# Altium PCB Copy of dv_cm.PcbDoc (part 2 of 2)
Units mm, origin at the board's own origin, x right, y up, seen from the top; angles counter-clockwise.
Board outline 86 x 62 mm, 4 copper layers (Top Layer, Ground, Power, Bottom Layer), stack 1.781 mm thick; 131 components, 165 nets, 728 pads, 195 vias.
Unrouted connection lines stored in the file: 14.
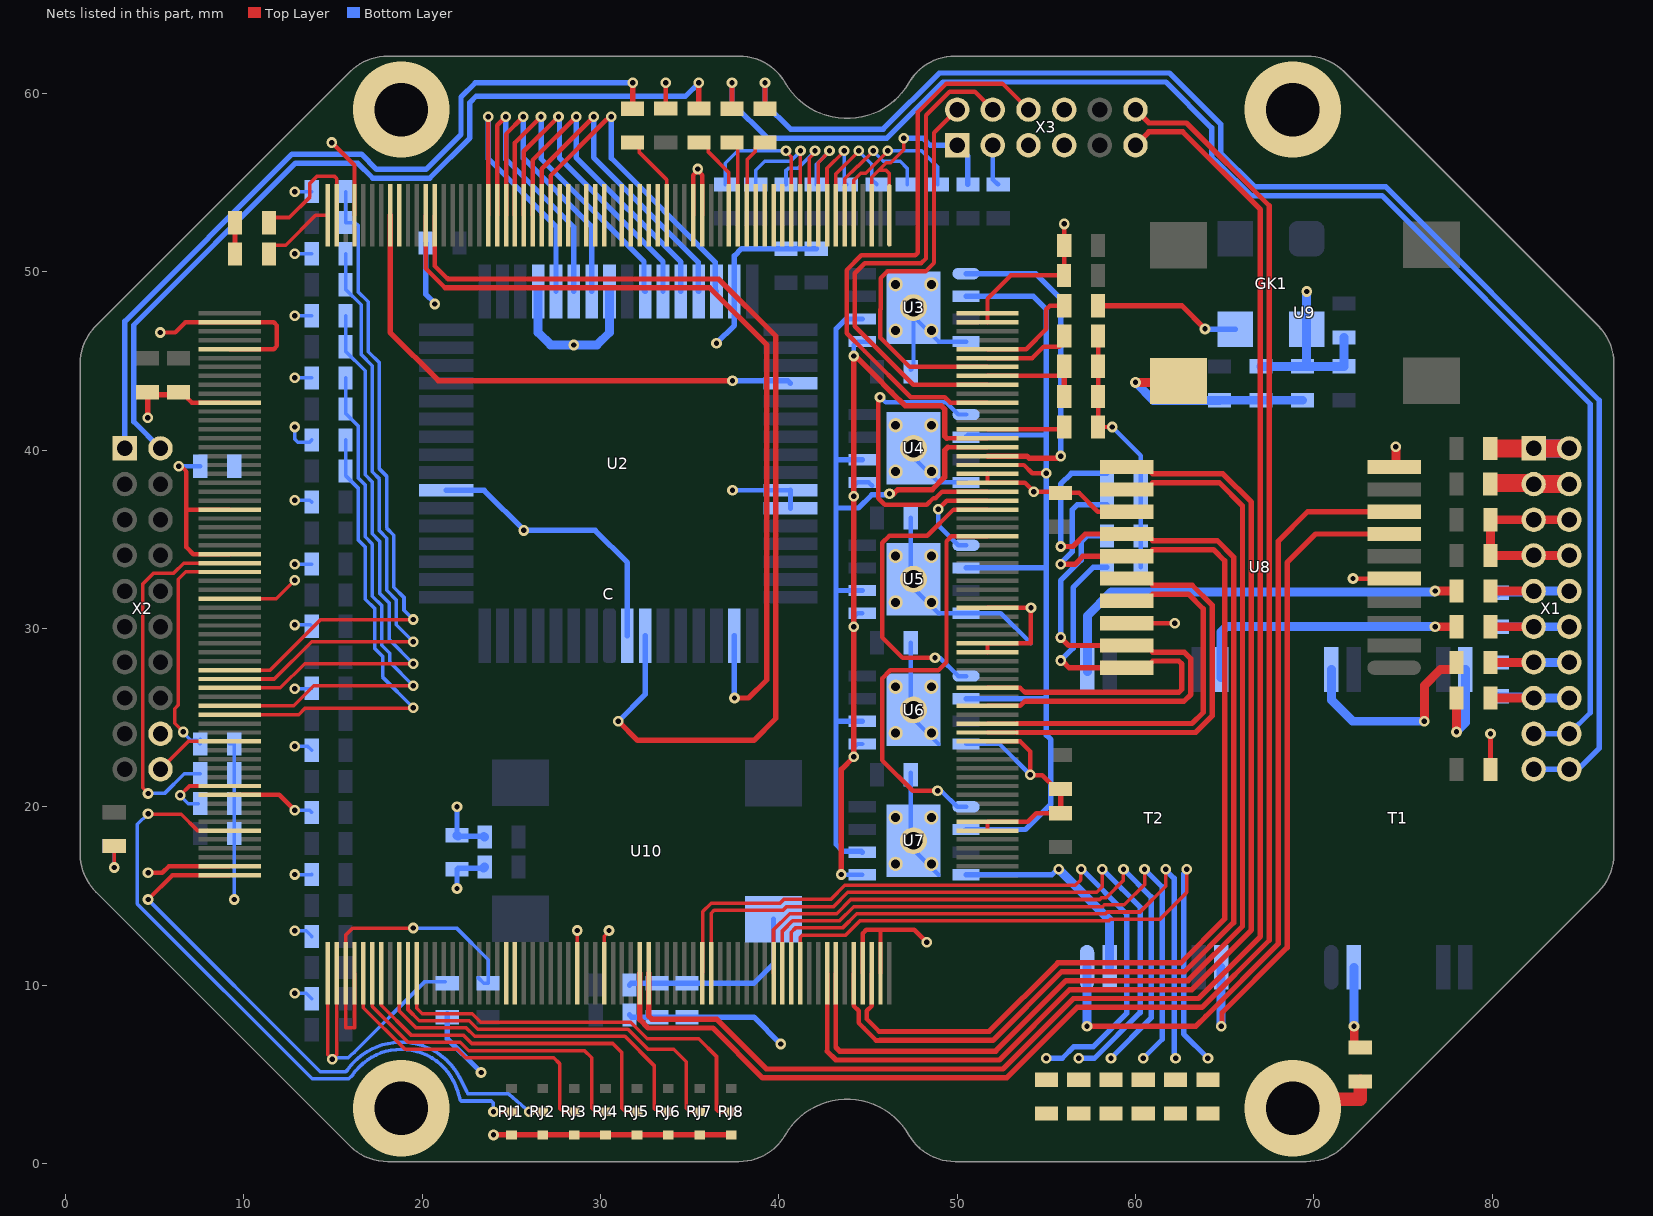
[diagram p4: the nets of this part, all layers, seen from the top]

## Via types
v1: diameter 0.6, hole 0.3, Top Layer to Bottom Layer, tented both sides, 185 vias
v2: diameter 5.4, hole 3, Top Layer to Bottom Layer, 4 vias
v3: diameter 0.6, hole 0.3, Top Layer to Bottom Layer, 2 vias
v4: diameter 1, hole 0.5, Top Layer to Bottom Layer, tented both sides, 2 vias
v5: diameter 0.7, hole 0.5, Top Layer to Bottom Layer, tented both sides, 1 vias
v6: diameter 0.8, hole 0.5, Top Layer to Bottom Layer, 1 vias

## Nets (pads, with @x,y where several pads share a name; then routed paths per layer and width w, separated by ;. In a path a pad name is that pad's centre, name@x,y a point inside that pad or via, vN(x,y) a via of type N, cw(c..) or ccw(c..) an arc to the next point about the centre after c; other vN are vias at no path point) (continued)
ADC_IN_9: C10.2 R25.2 С.110 | length 27.1
  Top Layer w0.2: С.110@9.2,25.168 13.068,25.168 13.425,25.525 19.468,25.525 v1(19.5,25.557)
  Bottom Layer w0.2: C10.2@15.7,40.574 R25.2@15.7,38.833 15.7,38.583 16.4,37.883 16.4,34.975 16.806,34.569 16.806,31.646 17.325,31.127 17.325,28.897 17.775,28.447 17.775,27.282 v1(19.5,25.557)
ADC_IN_10: C46.2 R60.2 С.109 | length 29.6
  Top Layer w0.2: С.109@9.2,25.668 12.793,25.668 13.918,26.793 v1(19.5,26.793)
  Bottom Layer w0.2: C46.2@15.7,44.056 R60.2@15.7,42.315 15.7,42.065 16.4,41.365 16.4,38.45 16.8,38.05 16.8,35.141 17.206,34.735 17.206,31.812 17.725,31.292 17.725,29.063 18.175,28.613 18.175,28.118 v1(19.5,26.793)
ADC_IN_11: C47.2 R61.2 С.107 | length 31.9
  Top Layer w0.2: С.107@9.2,26.668 12.044,26.668 13.405,28.029 v1(19.5,28.029)
  Bottom Layer w0.2: C47.2@15.7,47.537 R61.2@15.7,45.796 15.7,45.546 16.8,44.446 16.8,38.616 17.2,38.216 17.2,35.306 17.606,34.901 17.606,31.978 18.15,31.433 18.15,29.379 v1(19.5,28.029)
ADC_IN_12: C48.2 R62.2 С.106 | length 34.5
  Top Layer w0.2: С.106@9.2,27.168 11.708,27.168 13.804,29.264 v1(19.5,29.264)
  Bottom Layer w0.2: C48.2@15.7,51.019 R62.2@15.7,49.278 15.7,49.028 16.575,48.153 16.575,45.362 17.2,44.737 17.2,38.781 17.6,38.381 17.6,35.472 18.006,35.067 18.006,32.143 18.55,31.599 18.55,30.214 v1(19.5,29.264)
ADC_IN_13: C49.2 R63.2 С.105 | length 37.4
  Top Layer w0.2: С.105@9.2,27.668 11.468,27.668 14.3,30.5 v1(19.5,30.5)
  Bottom Layer w0.2: C49.2@15.7,54.5 R63.2@15.7,52.759 16.241,52.759 16.4,52.6 16.4,48.893 16.975,48.318 16.975,45.528 17.6,44.903 17.6,38.947 18,38.547 18,35.638 18.406,35.232 18.406,32.309 18.976,31.738 18.976,31.024 v1(19.5,30.5)
B_N: T2.1 U8.8 | length 44.2
  Top Layer w0.3: v1(57.28,7.7) 63.389,7.7 63.939,8.25 68,12.311 68,34.89 69.66,36.55 73,36.55
  Bottom Layer w0.5: v1@57.28,7.71 T2.1@57.28,10.99
B_P: T2.4 U8.7 | length 36
  Top Layer w0.3: v1(64.8,7.7) 64.846,7.746 64.846,8.45 68.5,12.104 68.5,33.7 70.1,35.3 73,35.3
  Bottom Layer w0.5: v1(64.8,7.7) T2.4@64.8,11
BDVCC: C20.2 С.64 | length 4
  Top Layer w0.2: C20.2@11.4,51.5 12.35,51.5 14.018,53.168 С.64@14.7,53.168
CASE: R15.1 | length 5
  Top Layer w0.75: v2(68.824,3.1) 69.324,3.6 72.6,3.6 R15.1@72.6,4.6
  other v2: 18.824,3.1 18.824,59.1 68.824,59.1
D_0: U2.29 С.46 | length 16.9
  Top Layer w0.25: С.46@23.7,53.168 v1(23.7,58.7)
  Bottom Layer w0.3: v1(23.7,58.7) 23.7,56.35 27.5,52.55 U2.29@27.5,48.9
D_1: U2.30 С.45 | length 17.1
  Top Layer w0.25: С.45@24.2,53.168 24.2,58.214 v1(24.686,58.7)
  Bottom Layer w0.3: v1(24.686,58.7) 24.686,56.314 28.5,52.5 U2.30@28.5,48.9
D_2: U2.31 С.44 | length 17.3
  Top Layer w0.25: С.44@24.7,53.168 24.7,57.729 v1(25.671,58.7)
  Bottom Layer w0.3: v1(25.671,58.7) 25.671,56.379 29.5,52.55 U2.31@29.5,48.9
D_3: U2.34 С.43 | length 18.4
  Top Layer w0.25: С.43@25.2,53.168 25.2,57.243 v1(26.657,58.7)
  Bottom Layer w0.3: v1(26.657,58.7) 26.675,58.682 26.675,56.337 32.437,50.575 32.437,48.963 U2.34@32.5,48.9
D_4: U2.35 С.42 | length 18.6
  Top Layer w0.25: С.42@25.7,53.168 25.7,56.757 v1(27.643,58.7)
  Bottom Layer w0.3: v1(27.643,58.7) 27.7,58.643 27.7,56.375 33.5,50.575 U2.35@33.5,48.9
D_5: U2.36 С.41 | length 18.8
  Top Layer w0.25: С.41@26.2,53.168 26.2,56.271 v1(28.629,58.7)
  Bottom Layer w0.3: v1(28.629,58.7) 28.629,56.421 34.5,50.55 U2.36@34.5,48.9
D_6: U2.37 С.40 | length 19
  Top Layer w0.25: С.40@26.7,53.168 26.7,55.786 v1(29.614,58.7)
  Bottom Layer w0.3: v1(29.614,58.7) 29.614,56.411 35.475,50.55 35.475,48.925 U2.37@35.5,48.9
D_7: U2.38 С.39 | length 19.2
  Top Layer w0.25: С.39@27.2,53.168 27.2,55.4 30.325,58.525 30.33,58.525 30.505,58.7 v1(30.6,58.7)
  Bottom Layer w0.3: v1(30.6,58.7) 30.6,56.377 36.427,50.55 36.427,48.973 U2.38@36.5,48.9
DVCC_B: C19.2 С.63 | length 7.3
  Top Layer w0.2: C19.2@11.4,53.049 12.549,53.049 13.701,54.201 13.701,54.976 14.075,55.35 15.083,55.35 15.2,55.233 С.63@15.2,53.168
DVCC_PLL: C17.2 C18.2 С.249 | length 6.1
  Top Layer w0.25: С.249@51.7,44.168 55.725,44.168 56,44.443 C17.2@56,44.654
  Top Layer w0.3: C18.2@56,42.98 C17.2@56,44.443
GND: C13.1 C14.1 C15.1 C16.1 C17.1 C18.1 C19.1 C20.1 C21.1 C22.1 C23.1 C24.1 C25.1 C26.1 C27.1 C28.1 C31.2 C32.2 C33.1 C34.1 C35.1 C36.1 C37.1 C38.1 C39.1 C40.1 C41.1 C42.1 C43.1 C44.1 GK1.2 L1.1 R15.2 R28.1 R40.2 R41.2 R42.2 R43.1 R44.1 R45.1 R46.1 R54.1 R55.1 RJ1.3 RJ2.3 RJ3.3 RJ4.3 RJ5.3 RJ6.3 RJ7.3 RJ8.3 T1.2 T2.2 U2.15 U2.28 U2.32 U2.39 U2.50 U2.51 U2.64 U3.4 U3.TP U4.4 U4.TP U5.4 U5.TP U6.4 U6.TP U7.4 U7.TP U8.5 U8.10 U8.13 U8.18 X1.5 X1.6 X1.7 X1.8 X2.18 X3.3 X3.5 X3.7 X3.8 С.22 С.23 С.61 С.66 С.69 С.75 С.97 С.127 С.157 С.160 С.189 С.191 С.198 С.199 С.208 С.218 С.219 С.223 С.237 С.238 С.255 С.256 | length 264.5
  Top Layer w0.2: С.97@9.2,31.668 11.818,31.668 v1(12.85,32.7) ; v3@28.643,13.062 28.7,13.005 С.157@28.7,10.668 ; С.160@30.2,10.668 30.2,12.744 30.475,13.019 v3(30.475,13.062)
  Top Layer w0.25: v1@4.9,16.3 5.425,16.3 5.793,16.668 С.127@9.2,16.668 ; v1(5.3,46.6) 6.154,46.6 6.721,47.168 С.66@9.2,47.168 11.674,47.168 11.85,46.992 11.85,45.844 11.674,45.668 С.69@9.2,45.668 ; C24.1@6.322,43.25 6.572,43.25 6.847,42.975 6.847,42.896 7.075,42.668 С.75@9.2,42.668 ; v1(14.925,57.25) 16.2,55.975 С.61@16.2,53.168 ; C28.1@33.656,59.155 v1(33.656,60.6) ; С.23@35.2,53.168 35.2,55.427 v1@35.45,55.677 ; v1(35.45,55.772) v1@35.45,55.677 ; С.22@35.7,53.168 35.7,55.427 v1@35.45,55.677 ; С.189@44.7,10.668 44.7,12.9 44.9,13.1 47.6,13.1 v1(48.3,12.4) ; С.191@45.7,10.668 45.7,13 ; С.198@51.7,18.668 С.199@51.7,19.168 53.958,19.168 54.433,19.644 C26.1@55.591,19.644 ; С.208@51.7,23.668 53.535,23.668 54.1,23.103 v1(54.1,21.8) 54.125,21.775 54.775,21.775 55.55,21 C23.1@55.8,21 ; С.218@51.7,28.668 С.219@51.7,29.168 54.137,29.168 v1@54.137,31.1 ; С.223@51.7,31.168 v1@54.069,31.168 ; С.238@51.7,38.668 С.237@51.7,38.168 53.798,38.168 54.276,37.69 v1@54.276,37.666 ; С.255@51.7,47.168 С.256@51.7,47.668 51.7,48.5 53,49.8 C27.1@55.995,49.8 C43.1@55.995,51.474 ; v1(54.3,37.666) 55.702,37.666 C22.1@55.8,37.568 ; C22.1@55.8,37.6 56.838,37.6 57.888,36.55 U8.13@59.5,36.55 ; C43.1@56,51.474 56,52.642 v1@56.047,52.689 ; R28.1@57.9,46.402 C17.1@57.9,44.703 C18.1@57.9,43.004 C16.1@57.9,41.305 57.905,41.3 v1(58.7,41.3) ; U8.18@59.5,30.3 v1(62.2,30.3) ; v1(72.2,32.8) U8.5@74.5,32.8
  Top Layer w0.3: v1(4.6,41.818) 4.6,43.1 C24.1@6.322,43.1 ; C20.1@9.25,51 9.5,51.25 C19.1@9.5,52.75 C19.1@9.5,53.049 ; v1(24,1.6) RJ1.3@25,1.6 RJ2.3@26.76,1.6 RJ3.3@28.521,1.6 RJ4.3@30.281,1.6 RJ5.3@32.041,1.6 RJ6.3@33.802,1.6 RJ7.3@35.562,1.6 RJ8.3@37.322,1.6 ; C26.1@55.8,19.644 C23.1@55.8,21 ; C41.1@79.905,22.099 v1(79.905,24.099)
  Top Layer w0.5: v1(72.25,7.7) 72.269,7.681 72.269,6.65 72.419,6.5 R15.2@72.6,6.5 ; U8.10@74.5,39.05 74.6,39.15 v1(74.6,40.2) ; C39.1@79.905,34.099 C40.1@79.905,36.099 X1.5@82.325,36.099 X1.6@84.325,36.099
  Top Layer w0.508: C39.1@79.905,34.099 X1.7@82.325,34.099 X1.8@84.325,34.099
  Bottom Layer w0.2: R41.2@9.19,23.525 R41.2@9.425,23.525 ; 9.45,15.1 9.455,15.105 C25.1@9.455,18.502 9.45,18.507 R42.2@9.45,20.176 R40.2@9.45,21.851 R41.2@9.45,23.525
  Bottom Layer w0.25: v1(37.4,37.75) U2.50@40.65,37.75 ; C38.1@47.4,21.9 C38.1@47.4,21.8 47.4,18.25 U7.TP@47.55,18.1 47.55,17.592 U7.TP@48.952,16.19 ; C37.1@47.4,29.2 47.4,25.583 U6.TP@47.55,25.433 47.55,24.925 U6.TP@48.952,23.523 ; C36.1@47.4,36.2 47.4,32.917 U5.TP@47.55,32.767 47.55,32.259 48.952,30.857 U5.4@50.5,30.857 52.448,30.857 54.137,29.168 ; C35.1@47.4,44.515 47.55,44.665 U3.TP@47.55,47.492 ; U4.TP@47.55,40.1 47.55,39.592 48.952,38.19 U4.4@50.5,38.19 ; U3.TP@47.55,48 U3.TP@47.55,47.492 ; U6.4@50.5,23.523 52.377,23.523 v1(54.1,21.8) ; U3.4@50.5,46.09 48.952,46.09 U3.TP@47.55,47.492 ; X3.3@52,57.1 52,55.18 52.275,54.905 C34.1@52.3,54.905 ; v1(58.7,41.3) 60.3,39.7 R46.1@60.3,38.7 R45.1@60.3,36.942 R44.1@60.3,35.184 R43.1@60.3,33.426
  Bottom Layer w0.3: C32.2@20.193,51.619 20.193,48.754 20.7,48.247 v1(20.7,48.2) ; U2.15@21.35,37.75 23.475,37.75 25.725,35.5 29.7,35.5 31.5,33.7 U2.64@31.5,29.6 ; C15.1@21.4,8.4 C15.1@21.4,8.2 21.4,7 23.202,5.198 23.298,5.198 v1@23.3,5.2 ; v1(21.953,15.419) L1.1@21.953,16.453 ; L1.1@21.953,16.5 L1.1@22,16.453 ; L1.1@22.016,16.563 C44.1@23.437,16.563 ; v1(36.5,46) 37.5,47 U2.39@37.5,48.9 37.5,50.9 37.9,51.3 C33.1@42.1,51.3 ; U2.51@40.65,36.75 U2.50@40.65,37.75 ; U7.4@50.5,16.19 55.305,16.19 55.615,16.5 v1(55.696,16.5)
  Bottom Layer w0.5: C44.1@23.437,16.563 C44.1@23.5,16.626 ; U2.28@26.5,48.9 26.5,46.6 27.2,45.9 v1(28.5,45.9) 29.8,45.9 30.5,46.6 U2.32@30.5,48.9 ; v1(55.696,16.5) 58.55,13.646 T2.2@58.55,11 ; R54.1@67.041,44.7 R55.1@69.37,44.7 R55.1@69.45,44.7 ; v1(69.6,48.9) GK1.2@69.6,46.782 69.6,44.85 R55.1@69.45,44.7 ; C13.1@71.7,46.323 C42.1@71.7,44.7 R55.1@69.45,44.7 ; v1@72.25,7.65 v1(72.25,7.7) T1.2@72.25,11
  other v1: 23.3,5.1 9.45,14.8 4.625,16.3 54.137,31.168 25.7,35.5 56,52.689
  other v3: 28.7,13.062
GND_LPF_ADC1: C1.1 C2.1 C3.1 C4.1 C5.1 C6.1 C7.1 C8.1 C9.1 C10.1 C29.1 C30.1 C45.1 C46.1 C47.1 C48.1 C49.1 L1.2 R57.1 R58.1 R59.1 X2.20 С.113 С.119 | length 38
  Top Layer w0.2: v1(2.725,16.6) C30.1@2.725,17.8 ; X2.20@5.322,22.099 6.891,23.668 С.113@9.2,23.668
  Top Layer w0.25: С.119@9.2,20.668 11.982,20.668 v1(12.85,19.8)
  Bottom Layer w0.2: v1(2.725,16.6) C29.1@2.725,17.8 ; v1(12.85,9.543) 13.5,9.543 13.8,9.243 C1.1@13.8,9.241 ; v1(12.85,13.043) 13.5,13.043 13.8,12.743 C2.1@13.8,12.722 ; v1(12.85,16.2) 13.796,16.2 C3.1@13.8,16.204 ; v1(12.85,19.8) 13.685,19.8 C4.1@13.8,19.685 ; v1(12.85,23.4) 13.567,23.4 C5.1@13.8,23.167 ; v1(12.85,26.625) 13.777,26.625 C6.1@13.8,26.648 ; v1(12.85,30.2) 13.73,30.2 C7.1@13.8,30.13 ; v1(12.85,33.611) C8.1@13.8,33.611 ; v1(12.85,37.2) 13.693,37.2 C9.1@13.8,37.093 ; v1(12.85,41.3) 12.85,40.625 13.025,40.45 13.676,40.45 C10.1@13.8,40.574 ; v1(12.85,44.056) C46.1@13.8,44.056 ; v1(12.85,47.537) C47.1@13.8,47.537 ; v1(12.85,51.019) C48.1@13.8,51.019 ; v1(12.85,54.5) C49.1@13.8,54.5 C49.1@13.7,54.4
  Bottom Layer w0.3: L1.2@21.953,18.4 L1.2@22,18.447 ; L1.2@21.953,18.447 v1(21.953,20) ; L1.2@22.003,18.35 C45.1@23.45,18.35 ; R59.1@31.625,8.33 31.75,8.205 R57.1@33.172,8.205 R58.1@34.846,8.205 38.595,8.205 v1(40.1,6.7)
  Bottom Layer w0.5: L1.2@21.953,18.4 L1.2@22.003,18.35 ; C45.1@23.45,18.35 C45.1@23.5,18.3
GPIO_0: R7.1 С.26 | length 4.9
  Top Layer w0.2: R7.1@31.8,57.2 31.858,57.2 32.158,56.9 32.158,56.717 33.7,55.175 С.26@33.7,53.168
GPIO_1: R8.2 С.19 | length 4.9
  Top Layer w0.2: R8.2@35.512,57.255 35.75,57.255 36.05,56.955 36.05,56.718 37.196,55.571 37.196,53.172 С.19@37.2,53.168
GPIO_2: R2.1 С.18 | length 4.2
  Top Layer w0.2: R2.1@37.425,57.2 37.45,57.2 37.7,56.95 С.18@37.7,53.168
GPIO_3: R1.1 С.17 | length 4.5
  Top Layer w0.2: С.17@38.2,53.168 38.225,53.193 38.225,56.3 38.675,56.75 38.675,56.95 38.925,57.2 R1.1@39.125,57.2
GPIO_4: С.16
GPIO_5: С.15
GPIO_6: С.14
GPIO_7: С.13
MCU_CLK: GK1.3 R30.1 | length 8.2
  Top Layer w0.3: R30.1@57.9,48.101 62.599,48.101 v1(63.9,46.8)
  Bottom Layer w0.3: v1(63.9,46.8) 63.918,46.782 GK1.3@65.6,46.782
MILA_RX_N: U8.16 С.209 | length 24.6
  Top Layer w0.25: С.209@51.7,24.168 С.209@53.325,24.168
  Top Layer w0.3: С.209@53.325,24.168 63.375,24.168 64.3,25.093 64.3,31.307 63.182,32.425 60.975,32.425 60.6,32.8 U8.16@59.5,32.8
MILA_RX_P: U8.17 С.210 | length 23
  Top Layer w0.25: С.210@51.7,24.668 С.210@53.325,24.668
  Top Layer w0.3: С.210@53.325,24.668 63.168,24.668 63.8,25.3 63.8,31.1 62.975,31.925 60.975,31.925 60.6,31.55 U8.17@59.5,31.55
MILA_TX_N: R43.2 U8.20 С.214 | length 26.5
  Top Layer w0.25: С.214@51.7,26.668 53.535,26.668 53.81,26.393 53.835,26.418
  Top Layer w0.3: 53.835,26.418 62.424,26.418 62.6,26.594 62.6,27.999 62.424,28.175 60.975,28.175 60.6,27.8 U8.20@59.5,27.8 56.281,27.8 55.881,28.2 v1(55.8,28.2)
  Bottom Layer w0.3: v1(55.8,28.2) 56.5,28.9 56.5,32.3 57.626,33.426 R43.2@58.4,33.426
MILA_TX_P: R44.2 U8.19 С.212 | length 29
  Top Layer w0.25: С.212@51.7,25.668 53.535,25.668 53.81,25.943 53.835,25.918
  Top Layer w0.3: 53.835,25.918 62.718,25.918 63.1,26.3 63.1,28.3 62.725,28.675 60.975,28.675 60.6,29.05 U8.19@59.5,29.05 56.25,29.05 v1(55.8,29.5) ; v1@55.65,29.5 v1@55.731,29.5
  Bottom Layer w0.3: v1(55.8,29.5) 55.8,32.681 56.95,33.831 56.95,34.85 57.284,35.184 R44.2@58.4,35.184
MILB_RX_N: U8.11 С.185 | length 63.2
  Top Layer w0.25: 42.7,6.293 С.185@42.7,10.668
  Top Layer w0.3: 42.7,6.293 43.193,5.8 52.361,5.8 56.311,9.75 63.157,9.75 66.5,13.093 66.5,37.082 64.907,38.675 60.975,38.675 60.6,39.05 U8.11@59.5,39.05
MILB_RX_P: U8.12 С.186 | length 60.7
  Top Layer w0.25: 43.2,6.5 С.186@43.2,10.668
  Top Layer w0.3: 43.2,6.5 43.4,6.3 52.154,6.3 56.104,10.25 62.95,10.25 66,13.3 66,36.875 64.7,38.175 60.975,38.175 60.6,37.8 U8.12@59.5,37.8
MILB_TX_N: R45.2 U8.15 С.190 | length 60.9
  Top Layer w0.25: С.190@45.2,10.668 45.2,8.833 44.925,8.558 44.925,8.1 45.625,7.4
  Top Layer w0.3: 45.625,7.4 51.793,7.4 55.643,11.25 62.536,11.25 65,13.714 65,33.8 64.375,34.425 60.975,34.425 60.6,34.05 U8.15@59.5,34.05 57.05,34.05 56.6,33.6 v1(55.8,33.6)
  Bottom Layer w0.3: v1(55.8,33.6) 55.8,33.65 56.45,34.3 56.45,36.65 56.742,36.942 R45.2@58.4,36.942
MILB_TX_P: R46.2 U8.14 С.188 | length 64.4
  Top Layer w0.25: С.188@44.2,10.668 44.2,8.833 44.475,8.558 44.475,7.878 44.75,7.603 45.453,6.9
  Top Layer w0.27: 45.453,6.9 45.675,6.9
  Top Layer w0.3: 45.675,6.9 52,6.9 55.85,10.75 62.743,10.75 65.5,13.507 65.5,34.007 64.582,34.925 60.975,34.925 60.6,35.3 U8.14@59.5,35.3 57.183,35.3 56.483,34.6 v1(55.8,34.6)
  Bottom Layer w0.3: v1(55.8,34.6) 55.8,38.1 56.4,38.7 R46.2@58.4,38.7
MISO: U3.2 U4.2 U5.2 U6.2 U7.2 С.239 | length 54.8
  Top Layer w0.25: С.239@51.7,39.168 53.741,39.168 54.209,38.7 v1(55,38.7)
  Bottom Layer w0.3: U7.2@50.5,18.73 53.83,18.73 55.25,20.15 55.25,23.769 55,24.019 55,26.063 ; U6.2@50.5,26.063 55,26.063 ; U5.2@50.5,33.397 54.997,33.397 55,33.4 ; U4.2@50.5,40.73 50.62,40.85 54.8,40.85 ; U3.2@50.5,48.63 54.27,48.63 55,47.9 v1(55,38.7) 55,33.4 ; 55,26.063 55,33.4
MODE0: R38.2 С.12 | length 8.6
  Top Layer w0.2: v1(40.4,56.8) 40.4,56.751 40.7,56.451 С.12@40.7,53.168
  Bottom Layer w0.2: R38.2@37,54.9 37,56.1 37.7,56.8 v1(40.4,56.8)
MODE1: R37.2 С.11 | length 7.4
  Top Layer w0.2: С.11@41.2,53.168 v1@41.2,56.8
  Bottom Layer w0.2: R37.2@38.7,54.9 38.7,55.7 39.208,56.208 40.144,56.208 40.151,56.2 40.649,56.2 41.214,56.766 v1(41.214,56.8)
MODE2: R36.2 С.10 | length 6.7
  Top Layer w0.2: С.10@41.7,53.168 41.7,56.363 42.029,56.692 v1(42.029,56.8)
  Bottom Layer w0.2: R36.2@40.4,54.9 40.4,55.683 40.517,55.8 41.063,55.8 42.029,56.766 v1(42.029,56.8) ; v1@42,56.751 v1@42,56.8
MODE3: R35.2 С.9 | length 6.1
  Top Layer w0.2: С.9@42.2,53.168 42.2,56.123 42.843,56.766 v1(42.843,56.8)
  Bottom Layer w0.2: R35.2@42.1,54.9 42.1,56.023 42.843,56.766 v1(42.843,56.8)
MODE4: R34.2 С.8 | length 6.1
  Top Layer w0.2: С.8@42.7,53.168 42.7,55.809 43.657,56.766 v1(43.657,56.8)
  Bottom Layer w0.2: v1(43.657,56.8) 43.657,54.9 R34.2@43.8,54.9
MODE5: R33.2 С.7 | length 6.5
  Top Layer w0.2: С.7@43.2,53.168 С.7@43.225,53.193 ; С.7@43.2,53.193 43.2,55.494 44.471,56.766 v1(44.471,56.8)
  Bottom Layer w0.2: v1(44.471,56.8) 44.471,56.766 45.2,56.037 45.2,55.2 R33.2@45.5,54.9 ; v1@44.5,56.751 v1@44.5,56.8
MODE6: R32.2 С.6 | length 7.6
  Top Layer w0.2: С.6@43.7,53.168 43.7,55.214 44.419,55.933 44.453,55.933 45.286,56.766 v1(45.286,56.8) ; v1@45.3,56.751 v1@45.3,56.8
  Bottom Layer w0.2: v1(45.286,56.8) 45.286,56.766 45.851,56.2 46.8,56.2 47.2,55.8 R32.2@47.2,54.9
MODE7: R31.2 С.5 | length 8.7
  Top Layer w0.2: С.5@44.2,53.168 44.2,55.134 44.599,55.533 44.867,55.533 46.1,56.766 v1(46.1,56.8)
  Bottom Layer w0.2: v1(46.1,56.8) 48,56.8 48.9,55.9 R31.2@48.9,54.9
MOSI: U3.5 U4.5 U5.5 U6.5 U7.5 С.242 | length 47.1
  Top Layer w0.25: 49.417,40.668 С.242@51.7,40.668
  Top Layer w0.3: v1(43.5,16.2) 43.5,22.1 v1(44.2,22.8) v1(44.2,30.1) v1(44.2,37.411) v1(44.2,45.28) 44.281,45.28 44.431,45.13 44.439,45.13 45.336,44.233 46.325,43.244 47.069,42.5 49.1,42.5 49.3,42.3 49.3,40.785 49.417,40.668
  Bottom Layer w0.25: v1@43.602,16.2 v1(43.5,16.2) 43.505,16.195 44.67,16.195 U7.5@44.675,16.19 U7.5@44.392,16.19 ; v1(44.2,22.8) 44.2,23.331 44.392,23.523 U6.5@44.675,23.523 ; v1(44.2,30.1) 44.2,30.664 44.392,30.857 U5.5@44.675,30.857 ; v1(44.2,37.411) 44.2,37.998 44.392,38.19 U4.5@44.675,38.19 45.047,38.19 U4.5@45.24,37.998 ; v1(44.2,45.28) 44.2,45.897 44.392,46.09 U3.5@44.675,46.09 45.11,46.09 U3.5@45.302,45.897
MPI_1_A: R47.1 R48.1 X1.15 X1.16 | length 6.5
  Top Layer w0.5: R47.1@79.905,26.099 X1.15@82.325,26.099
  Bottom Layer w0.5: R48.1@80.3,26.199 80.35,26.149 82.275,26.149 X1.15@82.325,26.099 X1.16@84.325,26.099
MPI_1_B: R50.1 R51.1 X1.11 X1.12 | length 6.4
  Top Layer w0.5: R50.1@79.905,30.099 X1.11@82.325,30.099
  Bottom Layer w0.5: R51.1@80.3,30.1 X1.11@82.325,30.099 X1.12@84.325,30.099
MPI_2_A: R48.2 R49.1 X1.13 X1.14 | length 6.4
  Top Layer w0.5: R49.1@79.905,28.099 X1.13@82.325,28.099
  Bottom Layer w0.5: R48.2@80.3,28.099 X1.13@82.325,28.099 X1.14@84.325,28.099
MPI_2_B: R51.2 R52.1 X1.9 X1.10 | length 6.5
  Top Layer w0.5: R52.1@79.905,32.099 X1.9@82.325,32.099
  Bottom Layer w0.5: R51.2@80.3,32 80.35,32.05 82.275,32.05 X1.9@82.325,32.099 X1.10@84.325,32.099
MPI_ADDR_0: R9.2 С.171 | length 40.7
  Top Layer w0.2: С.171@35.7,10.668 35.725,10.693 35.725,14.125 36.2,14.6 40.064,14.6 40.27,14.806 42.906,14.806 43.7,15.6 56.626,15.6 56.926,15.9 56.926,16.467 v1(56.958,16.5)
  Bottom Layer w0.3: v1(55,5.9) 55.893,5.9 56.543,6.55 57.643,6.55 59.5,8.407 59.5,14 57,16.5 v1(56.958,16.5)
MPI_ADDR_1: R10.2 С.172 | length 40.4
  Top Layer w0.2: С.172@36.2,10.668 36.2,14.034 36.366,14.2 40.229,14.2 40.435,14.406 43.072,14.406 43.866,15.2 57.824,15.2 58.141,15.517 v1(58.141,16.5) ; R10.2@56.8,4.72 R10.2@56.82,4.7
  Bottom Layer w0.3: v1(56.812,5.9) 57.7,5.9 60.26,8.46 60.26,14.381 59.235,15.406 v1(58.141,16.5)
MPI_ADDR_2: R11.2 С.179 | length 36
  Top Layer w0.2: С.179@39.7,10.668 39.7,13.105 40.601,14.006 43.237,14.006 44.031,14.8 57.99,14.8 58.09,14.9 58.35,14.9 59.324,15.874 v1(59.324,16.5)
  Bottom Layer w0.3: v1(58.624,5.9) 60.878,8.154 60.878,14.947 v1(59.324,16.5)
MPI_ADDR_3: R12.2 С.180 | length 36.1
  Top Layer w0.2: С.180@40.2,10.668 40.2,13.039 40.767,13.606 43.403,13.606 44.197,14.4 58.156,14.4 58.256,14.5 59.375,14.5 60.507,15.632 v1(60.507,16.5)
  Bottom Layer w0.3: v1(60.436,5.9) 61.5,6.964 61.5,15.507 v1(60.507,16.5)
MPI_ADDR_4: R13.2 С.181 | length 36.2
  Top Layer w0.2: С.181@40.7,10.668 40.7,12.974 40.932,13.206 43.569,13.206 44.363,14 58.321,14 58.421,14.1 60.25,14.1 61.69,15.54 v1(61.69,16.5) ; R13.2@62.28,4.7 R13.2@62.3,4.72
  Bottom Layer w0.3: v1(61.69,16.5) 61.69,16.458 62.164,15.985 62.164,6.196 62.191,6.17 62.191,5.957 v1(62.248,5.9)
MPI_ADDR_EVEN: R14.2 С.182 | length 37.3
  Top Layer w0.2: С.182@41.2,10.668 41.2,12.689 41.317,12.806 43.734,12.806 44.528,13.6 58.487,13.6 58.587,13.7 61.375,13.7 62.873,15.198 v1(62.873,16.5)
  Bottom Layer w0.3: v1(62.873,16.5) 62.873,16.419 62.7,16.245 62.7,7.26 v1(64.06,5.9)
NetC14_2: C14.2 С.87 С.92 | length 11
  Top Layer w0.25: v1(6.35,39.1) 6.475,39.1 6.775,38.8 6.775,36.668 ; С.92@9.2,34.168 7.156,34.168 6.775,34.549 6.775,36.668 ; С.87@9.2,36.668 6.775,36.668
  Bottom Layer w0.25: v1(6.35,39.1) C14.2@7.555,39.1
NetC15_2: C15.2 С.129 С.130 | length 18
  Top Layer w0.2: С.129@14.7,10.668 14.7,6.096 v1(14.948,5.848) 14.948,5.854 15.2,6.107 С.130@15.2,10.668
  Bottom Layer w0.2: v1(14.948,5.848) 15.024,5.925 15.852,5.925 cw(c18.824,3.101) 16.207,6.257 20.15,10.2 C15.2@21.3,10.2
NetC16_2: C16.2 С.243 | length 4.4
  Top Layer w0.2: C16.2@55.862,41.168 C16.2@56,41.305
  Top Layer w0.25: С.243@51.7,41.168 C16.2@55.862,41.168
NetR1_2: R1.2 X1.19 X1.20 | length 83.5
  Top Layer w0.3: R1.2@39.225,59.15 v1(39.225,60.6)
  Bottom Layer w0.3: v1(39.225,60.6) 39.225,59.425 40.65,58 45.85,58 49,61.15 61.907,61.15 64.771,58.286 64.771,56.678 66.674,54.775 74.025,54.775 86,42.8 86,23.272 84.827,22.099 X1.20@84.325,22.099 X1.19@82.325,22.099
NetR2_2: R2.2 X1.17 X1.18 | length 82.2
  Top Layer w0.3: R2.2@37.369,59.15 v1(37.369,60.6)
  Bottom Layer w0.3: v1(37.369,60.6) 37.369,59.481 39.35,57.5 46.057,57.5 49.207,60.65 61.7,60.65 64.271,58.079 64.271,56.454 64.65,56.075 64.667,56.075 66.467,54.275 73.818,54.275 85.5,42.593 85.5,25.274 X1.18@84.325,24.099 X1.17@82.325,24.099
NetR3_2: R3.2 X1.3 X1.4 | length 6.1
  Top Layer w1: R3.2@80.239,38.15 82.274,38.15 X1.3@82.325,38.099 X1.4@84.325,38.099
  Bottom Layer w1: X1.3@82.325,38.099 X1.4@84.325,38.099
NetR5_2: R5.2 X1.1 X1.2 | length 6.3
  Top Layer w1: R5.2@80.024,40.13 80.055,40.099 X1.1@82.325,40.099 X1.2@84.325,40.099
  Bottom Layer w1: X1.1@82.325,40.099 X1.2@84.325,40.099
NetR7_2: R7.2 X2.1 | length 44.5
  Top Layer w0.3: R7.2@31.8,59.15 v1(31.8,60.6)
  Bottom Layer w0.3: X2.1@3.322,40.099 3.322,47.227 12.695,56.6 16.586,56.6 17.436,55.75 20.211,55.75 22.174,57.712 22.174,59.8 22.974,60.6 v1(31.8,60.6)
NetR8_1: R8.1 X2.2 | length 48.2
  Top Layer w0.3: R8.1@35.512,59.155 v1(35.512,60.6)
  Bottom Layer w0.3: X2.2@5.322,40.099 3.822,41.599 3.822,47.02 12.902,56.1 16.379,56.1 17.229,55.25 20.418,55.25 22.674,57.505 22.674,59.5 23.024,59.85 34.763,59.85 v1(35.512,60.6)
NetR28_2: R28.2 С.251 | length 4.9
  Top Layer w0.25: С.251@51.7,45.168 54.207,45.168 54.843,45.803 55.725,45.803 56,46.078 R28.2@56,46.328
NetR30_2: R30.2 С.252 | length 6
  Top Layer w0.25: С.252@51.7,45.668 53.868,45.668 55,46.8 55,47.9 55.2,48.1 R30.2@56,48.101
NetR39_2: R39.2 С.131 С.132 | length 19.7
  Top Layer w0.2: С.132@16.2,10.668 16.2,7.6 15.7,7.6 С.131@15.7,10.668 15.7,12.8 16.1,13.2 v1(19.5,13.2) v1@19.45,13.25
  Bottom Layer w0.2: v1(19.5,13.2) 20.593,13.2 21.925,13.2 23.693,11.432 R39.2@23.693,10.1 23.456,10.1 R39.2@23.156,10.4
NetR40_1: R40.1 С.93 | length 20.3
  Top Layer w0.2: v1(4.625,20.75) 4.625,20.775 4.325,21.075 4.325,32.496 4.938,33.109 6.059,33.109 6.618,33.668 С.93@9.2,33.668
  Bottom Layer w0.2: 4.925,20.75 5.55,20.75 6.651,21.851 R40.1@7.55,21.851
NetR41_1: R41.1 С.94 | length 13.4
  Top Layer w0.2: v1(6.6,24.2) 6.117,24.683 6.117,25.5 6.325,25.708 6.325,32.769 6.731,33.175 9.193,33.175 С.94@9.2,33.168
  Bottom Layer w0.2: v1(6.6,24.2) 6.6,24.15 7.025,23.725 7.35,23.725 R41.1@7.55,23.525 R41.1@7.55,23.775
NetR42_1: R42.1 С.118 | length 4.2
  Top Layer w0.2: v1(6.425,20.65) 6.943,21.168 С.118@9.2,21.168
  Bottom Layer w0.2: v1(6.425,20.65) 6.425,20.626 6.874,20.176 R42.1@7.45,20.176
NetR47_2: R47.2 T1.5 | length 5.6
  Top Layer w0.5: v1(78.005,24.2) R47.2@78.005,26.099
  Bottom Layer w0.5: v1(78.005,24.2) 78.005,24.227 78.5,24.722 T1.5@78.5,27.7
NetR49_2: R49.2 T1.8 | length 11.9
  Top Layer w0.5: v1(76.2,24.8) 76.2,26.8 77.099,27.699 77.855,27.699 78.005,27.849 R49.2@78.005,28.099
  Bottom Layer w0.5: T1.8@70.98,27.7 70.98,25.993 72.173,24.8 v1(76.2,24.8)
NetR50_2: R50.2 T2.5 | length 15.9
  Top Layer w0.5: v1@76.801,30.099 R50.2@78.005,30.099
  Bottom Layer w0.5: T2.5@64.8,27.262 64.8,29.807 65.093,30.1 v1(76.8,30.1)
NetR52_2: R52.2 T2.8 | length 24.4
  Top Layer w0.5: v1@76.801,32.099 R52.2@78.005,32.099
  Bottom Layer w0.5: T2.8@57.3,27.591 57.3,30.7 58.65,32.05 76.75,32.05 v1(76.8,32.1)
NetR53_1: R53.1 R54.2 R55.2 U9.17 | length 12.2
  Top Layer w0.5: v1(60,43.8) 62.32,43.8 U9.17@62.4,43.88
  Bottom Layer w0.5: v1(60,43.8) 61.005,42.795 R53.1@64.711,42.795 64.714,42.797 69.368,42.797 R55.2@69.37,42.8
NetR56_1: R56.1 R57.2 R58.2 U10.17 | length 11.1
  Bottom Layer w0.3: R56.1@31.625,10 31.729,10.105 R57.2@33.172,10.105 R58.2@34.846,10.105 38.605,10.105 39.7,11.2 U10.17@39.7,13.7
NRST: R29.1 X3.1 С.1 С.3 | length 13.9
  Top Layer w0.2: С.3@45.2,53.168 45.2,55.3 45.6,55.7 ; С.1@46.2,53.168 46.2,55.508 46.008,55.7 45.6,55.7 ; v1(47,57.5) 47,56.852 46.274,56.126 46.026,56.126 45.6,55.7
  Bottom Layer w0.3: v1(47,57.5) 48.073,57.5 48.473,57.1 X3.1@50,57.1 50.6,56.5 R29.1@50.6,54.905
PWM_N: С.149
PWM_P: С.150
SCK: U3.6 U4.6 U5.6 U6.6 U7.6 С.241 | length 47.7
  Top Layer w0.25: 49.476,40.168 С.241@51.7,40.168
  Top Layer w0.3: v1@46.357,37.557 46.355,37.559 v1(46.2,37.559) 46.441,37.559 46.671,37.79 48.601,37.79 49.3,38.489 49.3,39.111 49.3,39.992 49.476,40.168
  Bottom Layer w0.3: U7.6@44.675,17.46 44.635,17.5 43.6,17.5 43.2,17.9 43.2,24.8 ; U6.6@44.675,24.793 44.668,24.8 43.2,24.8 ; U5.6@44.675,32.127 43.227,32.127 43.2,32.1 ; U4.6@44.675,39.46 43.2,39.46 ; U3.6@44.675,47.36 43.76,47.36 43.2,46.8 43.2,39.46 ; v1(46.2,37.559) 46.143,37.502 45.211,37.502 44.469,36.761 43.261,36.761 43.2,36.7 ; 43.2,24.8 43.2,32.1 ; 43.2,32.1 43.2,36.7 ; 43.2,36.7 43.2,39.46
SET_0: RJ8.1 С.139 | length 23.7
  Top Layer w0.2: С.139@19.7,10.668 19.7,8.7 20,8.4 22.8,8.4 23.275,7.925 31.7,7.925 32.625,7 35.5,7 36.5,6 36.5,3.017 36.617,2.9 RJ8.1@37.322,2.9
SET_1: RJ7.1 С.138 | length 22.3
  Top Layer w0.2: С.138@19.2,10.668 19.2,8.634 19.834,8 19.969,8 22.634,8 23.109,7.525 31.534,7.525 32.659,6.4 34.1,6.4 34.8,5.7 34.8,3.1 35,2.9 RJ7.1@35.562,2.9
SET_2: RJ6.1 С.137 | length 21
  Top Layer w0.2: С.137@18.7,10.668 18.7,8.569 19.669,7.6 22.469,7.6 22.943,7.125 31.369,7.125 33,5.494 33,3.1 33.2,2.9 RJ6.1@33.802,2.9
SET_3: RJ5.1 С.135 | length 20.4
  Top Layer w0.2: С.135@17.7,10.668 17.7,8.869 19.369,7.2 22.303,7.2 22.778,6.725 30.675,6.725 31.2,6.2 31.2,3.1 31.4,2.9 RJ5.1@32.041,2.9
SET_4: RJ4.1 С.134 | length 19
  Top Layer w0.2: С.134@17.2,10.668 17.2,8.803 19.203,6.8 22.137,6.8 22.612,6.325 29.1,6.325 29.5,5.925 29.5,3.1 29.7,2.9 RJ4.1@30.281,2.9
SET_5: RJ3.1 С.133 | length 17.6
  Top Layer w0.2: С.133@16.7,10.668 16.7,8.736 19.036,6.4 21.972,6.4 22.446,5.925 27.375,5.925 27.7,5.6 27.7,3.1 27.9,2.9 RJ3.1@28.521,2.9
SET_6: RJ2.1 С.128 | length 33.3
  Top Layer w0.2: v1(26,2.9) RJ2.1@26.76,2.9
  Top Layer w0.25: v1(4.625,14.8) 5.993,16.168 С.128@9.175,16.168
  Bottom Layer w0.2: v1@4.737,14.688 14.275,5.15 15.721,5.15 15.78,5.209 15.792,5.221 cw(c18.824,3.1) 18.684,6.797 18.685,6.797 cw(c18.824,3.943) 18.824,6.801 cw(c18.824,3.101) 22.134,4.753 22.505,4.011 22.56,3.9 23.9,3.9 24.812,3.911 24.869,3.862 v1(26,2.9)
SET_7: RJ1.1 С.123 | length 37.8
  Top Layer w0.2: v1@4.612,19.575 6.488,19.575 7.395,18.668 С.123@9.2,18.668 ; v1(24,2.9) RJ1.1@25,2.9
  Bottom Layer w0.2: v1(4.625,19.615) 4.025,19.015 4.025,17.325 4.025,14.551 13.826,4.75 15.887,4.75 16.062,4.925 16.064,4.925 16.081,4.942 ccw(c15.94,5.084) 16.082,4.943 16.095,4.956 cw(c18.824,3.1) 18.825,6.4 cw(c18.824,3.1) 21.988,4.038 22.13,3.559 ; 22.13,3.559 22.189,3.5 23.855,3.5 23.972,3.395 23.977,3.311 v1(24,2.9)
STM_0: С.38
STM_1: С.37
STM_2: С.35
STM_3: С.34
STM_4: С.33
STM_5: С.31
STM_6: С.30
STM_7: С.29
STM_8: С.28
STM_9: С.27
SWCLK: X3.2 С.250 | length 22.5
  Top Layer w0.25: X3.2@50,59.1 48.7,57.8 48.7,50.5 48.225,50.025 46.076,50.025 45.705,49.654 45.705,47.918 45.696,47.908 45.696,46.304 47.332,44.668 С.250@51.7,44.668
SWDIO: X3.4 С.248 | length 28.9
  Top Layer w0.25: С.248@51.7,43.668 47.532,43.668 44.25,46.95 44.25,49.914 44.811,50.475 47.975,50.475 48.25,50.75 48.25,58.779 49.581,60.111 50.989,60.111 X3.4@52,59.1
SWDO: X3.6 С.246 | length 32.8
  Top Layer w0.25: С.246@51.675,42.668 49.604,42.668 49.297,42.975 47.389,42.975 44.825,45.539 43.8,46.564 43.8,50.1 44.625,50.925 47.654,50.925 47.8,51.071 47.8,58.966 49.395,60.561 52.539,60.561 X3.6@54,59.1
UART_RX_DBG: X3.12 С.164 | length 93.4
  Top Layer w0.3: С.164@32.2,10.668 32.2,8.062 32.669,7.593 36.3,7.593 39.093,4.8 52.775,4.8 56.725,8.75 63.732,8.75 67.5,12.518 67.5,53.707 62.857,58.35 60.75,58.35 X3.12@60,59.1
UART_TX_DBG: X3.11 С.165 | length 90.9
  Top Layer w0.3: С.165@32.7,10.668 32.7,8.269 32.876,8.093 36.507,8.093 39.3,5.3 52.568,5.3 56.518,9.25 63.525,9.25 67,12.725 67,53.5 62.65,57.85 60.75,57.85 X3.11@60,57.1
~CS_0: U2.44 С.57 | length 30.2
  Top Layer w0.3: С.57@18.2,53.168 18.2,46.6 20.9,43.9 v1(37.4,43.9)
  Bottom Layer w0.3: v1(37.4,43.9) 37.402,43.902 40.498,43.902 U2.44@40.65,43.75
~CS_1: С.56
~FS_0: U3.1 С.240 | length 18.9
  Top Layer w0.3: С.240@51.7,39.668 53.913,39.668 54.031,39.55 55.682,39.55 v1(55.8,39.668)
  Bottom Layer w0.3: U3.1@50.5,49.9 54.4,49.9 55.8,48.5 v1(55.8,39.668)
~FS_1: U4.1 С.236 | length 17.5
  Top Layer w0.25: v1(45.675,42.975) 45.575,42.875 45.575,37.3 45.941,36.934 48.295,36.934 48.675,37.315 48.798,37.315 49.15,37.668 С.236@51.7,37.668
  Bottom Layer w0.25: v1(45.675,42.975) 45.696,42.975 45.996,42.675 49.381,42.675 50.056,42 U4.1@50.5,42
~FS_2: U5.1 С.235 | length 5.9
  Top Layer w0.25: v1(48.934,36.69) 49.412,37.168 С.235@51.7,37.168
  Bottom Layer w0.25: v1(48.934,36.69) 48.934,35.788 50.056,34.667 U5.1@50.5,34.667
~FS_3: U6.1 С.234 | length 17.6
  Top Layer w0.25: v1(48.759,28.364) 46.936,28.364 45.8,29.5 45.8,34.8 46.2,35.2 48.328,35.2 49.796,36.668 С.234@51.7,36.668
  Bottom Layer w0.25: v1(48.759,28.364) 49.025,28.364 50.056,27.333 U6.1@50.5,27.333
~FS_4: U7.1 С.231 | length 23.6
  Top Layer w0.25: v1(48.9,20.9) 47.5,20.9 45.8,22.6 45.8,27.2 46.25,27.65 48.95,27.65 49.4,28.1 49.4,34.9 49.668,35.168 С.231@51.7,35.168
  Bottom Layer w0.25: v1(48.9,20.9) 48.967,20.833 49.167,20.833 50,20 U7.1@50.5,20
~OE: U2.58 С.53 | length 48.4
  Top Layer w0.25: С.53@20.2,53.168 20.2,50.193 21.293,49.1
  Top Layer w0.3: 21.293,49.1 36.125,49.1 39.325,45.9 39.325,27.125 38.3,26.1 v1(37.508,26.1)
  Bottom Layer w0.3: U2.58@37.5,29.6 37.504,29.596 37.504,26.104 v1(37.508,26.1)
~WE: U2.63 С.52 | length 60.2
  Top Layer w0.25: С.52@20.7,53.143 20.7,50.329 21.412,49.618 21.447,49.618
  Top Layer w0.3: 21.447,49.618 21.465,49.6 36.625,49.6 39.825,46.4 39.825,24.95 38.599,23.724 32.076,23.724 v1(31,24.8)
  Bottom Layer w0.3: v1(31,24.8) 32.5,26.3 U2.63@32.5,29.6
Адр_0: R9.1
Адр_1: R10.1
Адр_2: R11.1
Адр_3: R12.1
Адр_4: R13.1
Адр_Четн: R14.1
pads on no net: T1.3 T1.6 T1.7 T2.3 T2.6 T2.7 U2.9 U2.10 U2.11 U2.12 U2.13 U2.14 U2.18 U2.22 U2.23 U2.24 U2.25 U2.26 U2.41 U2.42 U2.43 U2.46 U2.47 U2.48 U2.49 U2.53 U2.54 U2.55 U2.56 U2.57 С.2 С.4 С.32 С.36 С.47 С.48 С.49 С.50 С.51 С.54 С.55 С.58 С.59 С.60 С.62 С.67 С.68 С.71 С.91 С.95 С.96 С.98 С.99 С.100 С.101 С.102 С.104 С.136 С.140 С.141 С.142 С.143 С.144 С.145 С.146 С.147 С.148 С.151 С.152 С.154 С.156 С.158 С.161 С.163 С.166 С.167 С.168 С.169 С.170 С.173 С.174 С.175 С.176 С.177 С.178 С.183 С.184 С.187 С.192 С.195 С.196 С.197 С.200 С.201 С.202 С.203 С.204 С.205 С.206 С.207 С.211 С.215 С.216 С.217 С.220 С.221 С.222 С.224 С.225 С.226 С.227 С.228 С.229 С.230 С.244 С.245 С.247 С.253
copper on no net: | length 262.5
  Top Layer w0.2: 0.828,17.343 ccw(c3.828,17.343) 1.707,15.221 15.95,0.979 ccw(c18.071,3.1) 18.071,0.1 37.766,0.1 ccw(c37.766,3.1) 40.364,1.6 cw(c43.828,-0.4) 47.293,1.6 ccw(c49.891,3.1) 49.891,0.1 69.586,0.1 ccw(c69.586,3.1) 71.707,0.979 85.95,15.221 ccw(c83.828,17.343) 86.828,17.343 86.828,44.857 ccw(c83.828,44.857) 85.95,46.979 71.707,61.221 ccw(c69.586,59.1) 69.586,62.1 49.891,62.1 ccw(c49.891,59.1) 47.293,60.6 cw(c43.828,62.6) 40.364,60.6 ccw(c37.766,59.1) 37.766,62.1 18.071,62.1 ccw(c18.071,59.1) 15.95,61.221 1.707,46.979 ccw(c3.828,44.857) 0.828,44.857 0.828,17.343

## Polygon pours and split planes (outlines as drawn)
GND on Top Layer "NONET_L04_P-001" (solid, remove dead copper, pour order 2): 39.851,61.266 ccw(c50.961,70.086) 42.141,58.977 42.496,58.621 45.146,58.621 48.646,62.121 70.803,62.121 86.821,46.102 86.821,16.121 70.821,0.121 48.996,0.121 45.288,3.322 42.271,3.304 38.646,0.121 16.821,0.121 0.821,16.121 0.821,46.098 15.856,61.132 cw(c18.068,59.097) 17.943,62.1 20.8,62.1 37.7,62.1 37.838,62.1 cw(c37.764,59.074)
+5V on Top Layer "NONET_L04_P-001" (solid, remove dead copper, pour order 4): 71,46 81.3,46 81.3,42 79,42 79,38.2 78.5,38.2 77.3,38.2 76.5,38.2 76.5,41 71,41
no net on Top Layer "NONET_L04_P-001" (solid, pour order 3): 71.3,42.1
no net on Top Layer "NONET_L04_P-001" (solid, pour order 0): 0.8,32.1
GND on Bottom Layer "NONET_L04_P-001" (solid, remove dead copper, pour order 1): 0.797,46.1 16.797,62.1 38.972,62.1 42.472,58.6 45.122,58.6 48.622,62.1 70.797,62.1 86.797,46.1 86.797,16.1 70.797,0.1 48.972,0.1 45.472,3.6 42.122,3.6 38.622,0.1 16.797,0.1 0.797,16.1
GND on Ground (split plane): 287 vertices, not listed, extent 1.332,0.609 86.315,61.591
GND_LPF_ADC1 on Ground (split plane): 14.371,23.016 14.372,23.008 14.371,23 14.38,22.95 14.408,22.908 14.45,22.88 14.5,22.871 38.946,22.871 42.771,19.046 42.771,13 42.771,5.029 36.629,5.029 36.629,14.6 36.62,14.65 36.592,14.692 35.242,16.042 35.2,16.07 35.15,16.079 14.5,16.079 14.45,16.07 14.408,16.042 14.38,16 14.371,15.95 14.371,9.029 11.616,9.029 11.616,12.994 11.638,13.008 11.666,13.05 11.676,13.1 11.666,13.15 11.638,13.192 11.616,13.206 11.616,15.95 11.606,16 11.578,16.042 11.536,16.07 11.487,16.079 1.677,16.079 1.666,16.097 1.565,16.29 1.482,16.49 1.417,16.698 1.37,16.91 1.341,17.125 1.332,17.327 1.334,17.343 1.334,22.884 11.487,22.884 11.536,22.894 11.578,22.922 11.606,22.964 11.616,23.013 11.616,54.871 14.371,54.871
3V3 on Power (split plane): 219 vertices, not listed, extent 1.332,0.609 79.803,61.591
+5V on Power (split plane): 85.584,46.618 85.596,46.607 85.732,46.459 85.865,46.287 85.982,46.103 86.082,45.91 86.165,45.71 86.231,45.502 86.278,45.29 86.306,45.074 86.315,44.873 86.313,44.857 86.313,17.343 86.315,17.327 86.306,17.125 86.278,16.91 86.231,16.698 86.165,16.49 86.082,16.29 85.982,16.097 85.865,15.913 85.732,15.741 85.596,15.593 85.584,15.582 71.341,1.34 71.331,1.327 71.183,1.191 71.01,1.059 70.827,0.942 70.634,0.842 70.433,0.758 70.226,0.693 70.014,0.646 69.798,0.618 69.597,0.609 69.581,0.61 49.886,0.61 49.87,0.609 49.669,0.618 49.453,0.646 49.241,0.693 49.033,0.758 48.833,0.842 48.64,0.942 48.456,1.059 48.284,1.191 48.124,1.338 47.977,1.498 47.845,1.671 47.729,1.853 47.728,1.854 47.73,1.855 47.712,1.883 47.712,1.884 47.574,2.106 47.402,2.346 47.215,2.574 47.013,2.789 46.797,2.991 46.569,3.178 46.329,3.35 46.079,3.506 45.818,3.645 45.55,3.767 45.273,3.871 44.991,3.957 44.703,4.024 44.412,4.072 44.119,4.101 43.824,4.11 43.529,4.101 43.235,4.072 42.944,4.024 42.875,4.008 40.792,6.092 40.75,6.12 40.7,6.129 22.129,6.129 22.129,9.425 22.129,15.29 26.851,15.29 26.851,9.419 26.861,9.37 26.889,9.328 26.931,9.3 26.981,9.29 27.01,9.296 70.594,9.296 70.644,9.305 70.686,9.333 79.992,18.639 80.02,18.681 80.029,18.731 80.02,18.78 79.996,18.815 80.02,18.85 80.029,18.9 80.029,41 80.02,41.05 79.992,41.092 79.95,41.12 79.9,41.129 70.529,41.129 70.529,46.646 78.042,54.159
3V3A on Power (split plane): 27.171,20.129 1.334,20.129 1.334,23.171 5.4,23.171 27.171,23.171

## Other copper
Ground (plane layer: these items are gaps in the copper):
  lines w0.254: 1.175,15.35 1.175,23.013 11.487,23.013 11.487,55 14.5,55 14.5,23.016 ; 1.275,15.95 11.487,15.95 11.487,8.9 14.5,8.9 14.5,15.95 29.526,15.95 35.15,15.95 36.5,14.6 36.5,4.9 42.9,4.9 42.9,13 42.9,19.1 39,23 32.9,23 26.8,23 14.5,23 ; 11.5,13.1 11.546,13.1
Power (plane layer: these items are gaps in the copper):
  lines w0.254: 0.7,20 27.3,20 27.3,23.3 5.4,23.3 1,23.3 ; 21.953,15.419 26.981,15.419 26.981,9.419 ; 22,15.419 22,9.425 22,6 39.5,6 40.7,6 43.1,3.6 43.4,3.6 ; 26.981,9.425 70.594,9.425 79.9,18.731 ; 78.3,54.6 70.4,46.7 70.4,41 79.9,41 79.9,18.9

## Silkscreen, mask and mechanical layers (free items; w line width, h text height)
Mechanical 1:
  the board outline again, w0.2